# Allegro board DPU_PoE_A1_SizeReduce.brd (continued)
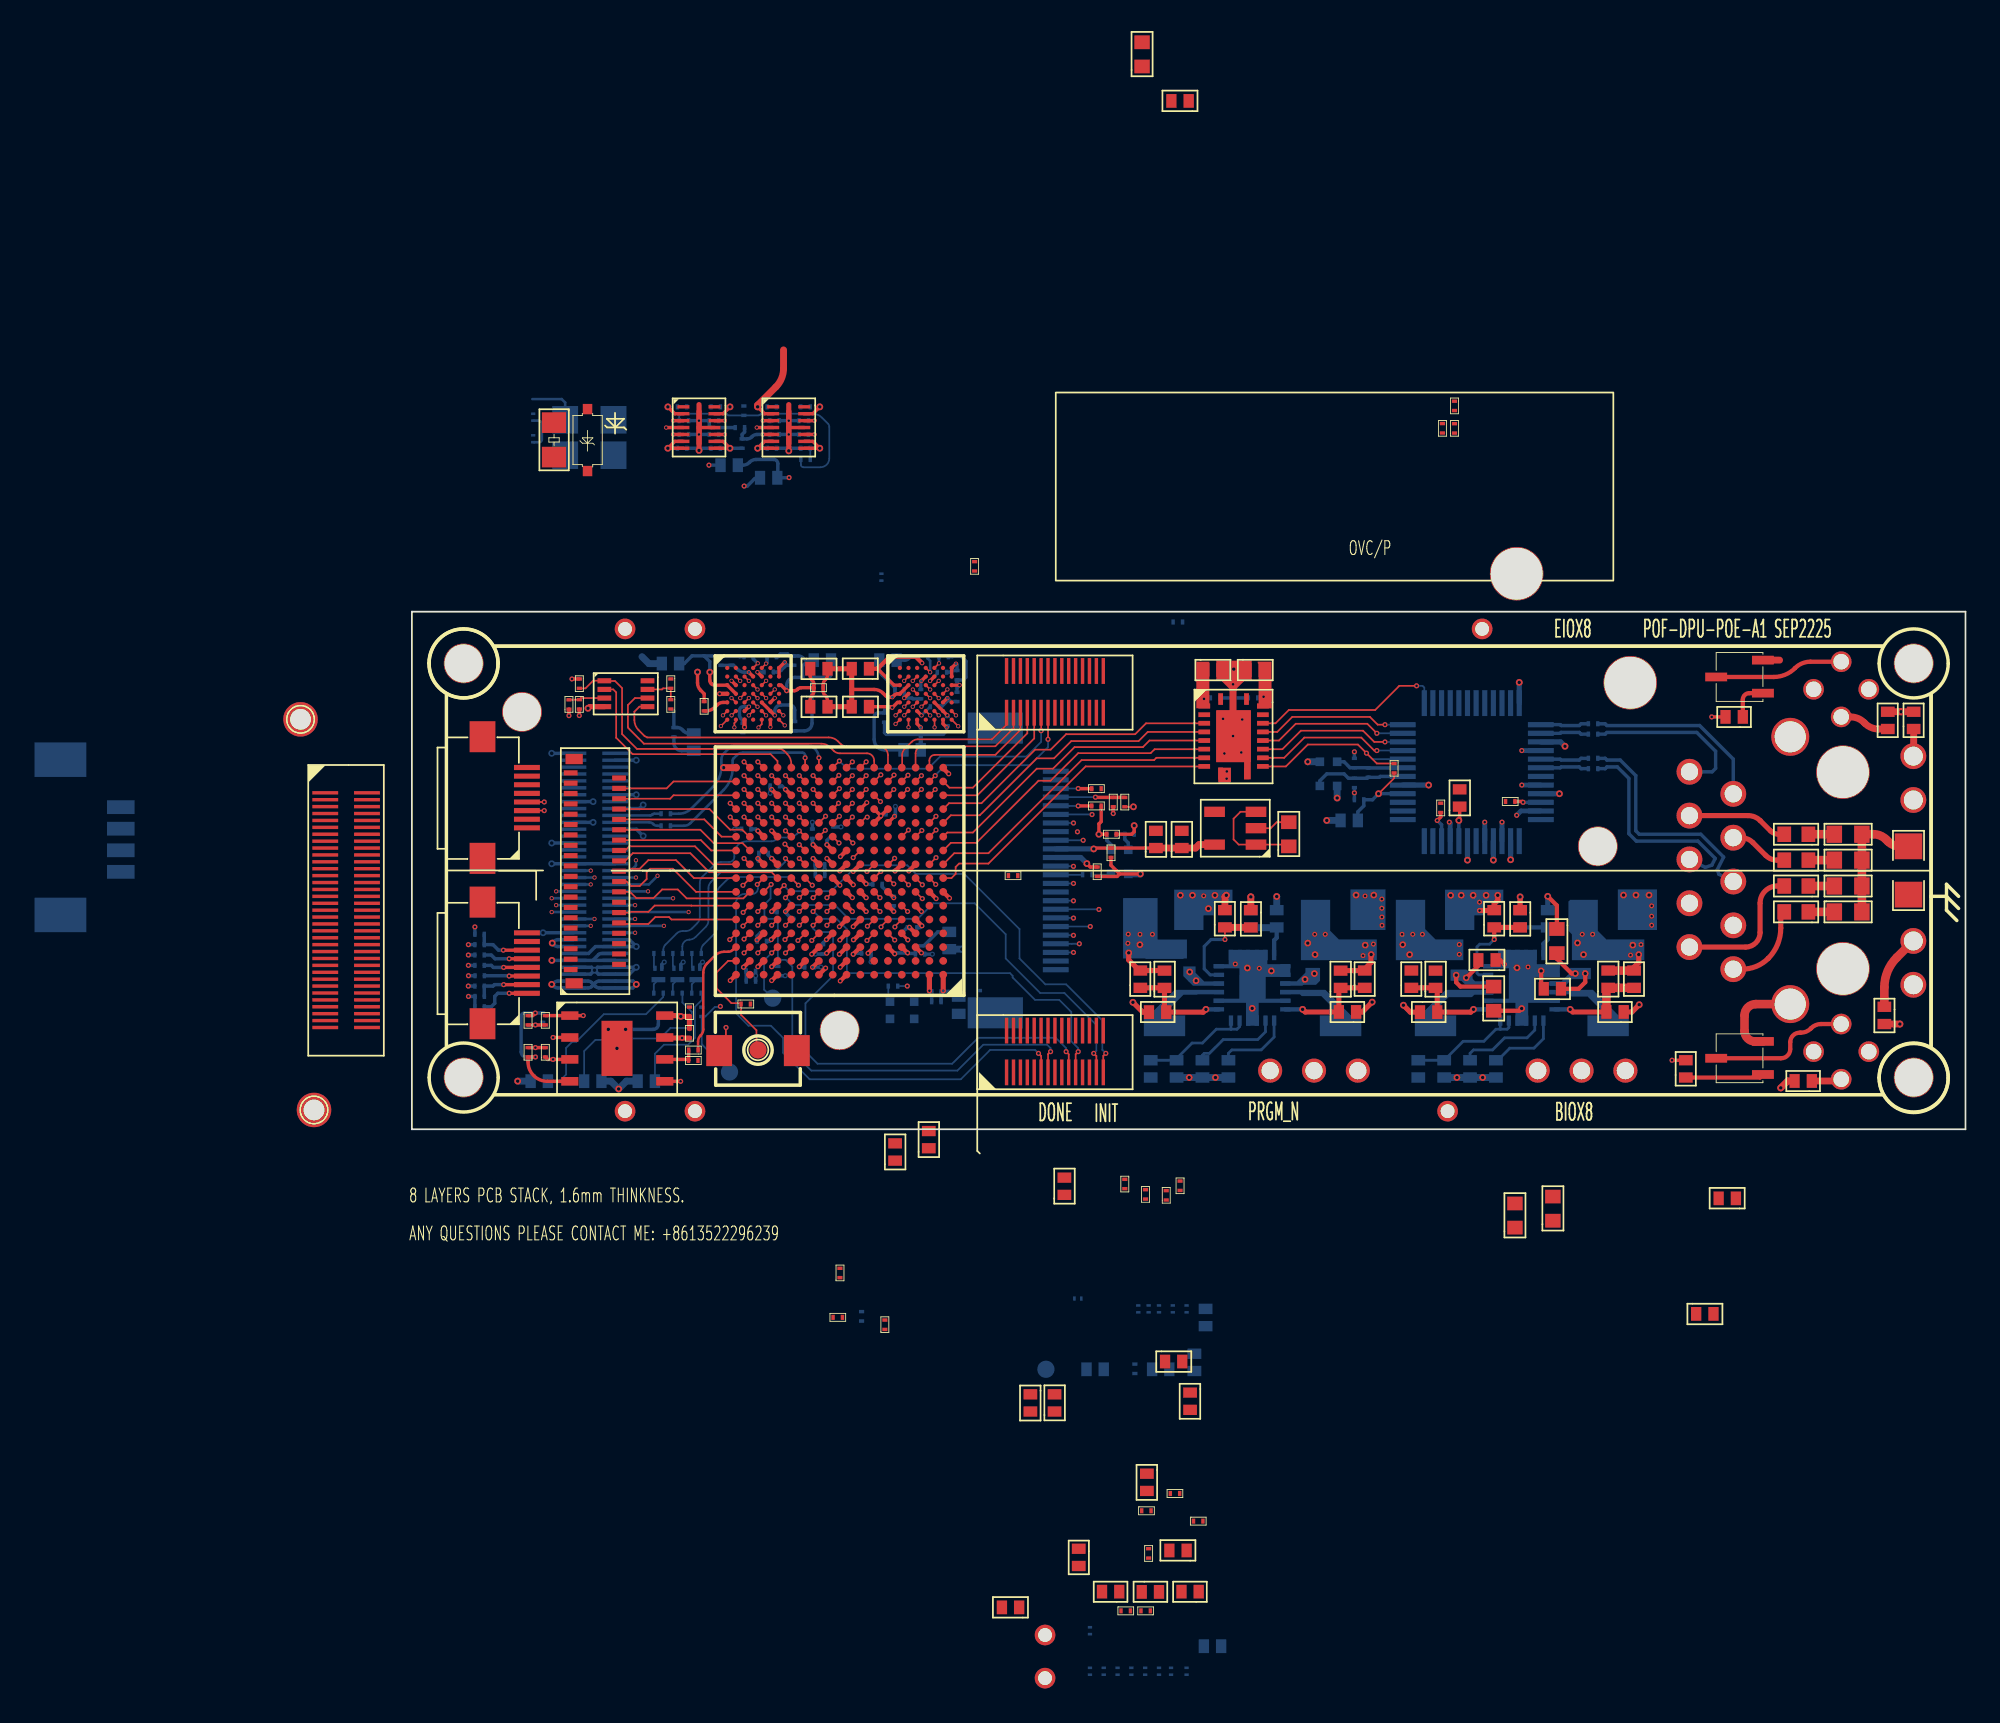
[diagram p0: board, top side]
## Nets (continued)
IO_T3: J2.3 U7.T3
IO_T4: J2.1 U7.T4
IO_T9: J2.11 U7.T9
IR_1V8: C103.2 J7.9 J7.10 J7.12 U5.13 U5.14
IR_1V8_EN: C108.2 R71.2 R74.2 U5.3
IR_3V3: C118.2 J7.13 J7.15 R74.1 U6.8 U6.9(VOUT2.)
IR_3V3_EN: C112.2 R72.2 R75.2 U6.5
IR_5V0: C120.2 J7.1 J7.2 J7.3 J7.4 R75.1 U5.8 U5.9(VOUT2.)
IR_D0: J7.18 U7.E15
IR_D1: J7.19 U7.E12
IR_D2: J7.20 U7.F9
IR_D3: J7.21 U7.E13
IR_D4: J7.22 U7.G10
IR_D5: J7.23 U7.F15
IR_D6: J7.24 U7.E9
IR_D7: J7.25 U7.H15
IR_D8: J7.26 U7.G9
IR_D9: J7.27 U7.J15
IR_D10: J7.28 U7.K7
IR_D11: J7.29 U7.K12
IR_D12: J7.30 U7.J11
IR_D13: J7.31 U7.L12
IR_D14: J7.32 U7.K11
IR_D15: J7.33 U7.M16
IR_HSYNC: J7.34 U7.M15
IR_PCLK: J7.36 U7.M14
IR_PWR_EN: R73.2 U5.5 U7.M4
IR_UART_RX: R69.1 U7.T11
IR_UART_TX: R68.1 U7.T10
IR_VSYNC: J7.35 U7.N16
JTAG_EN: J5.6 R89.2 R90.2 U7.D10
LD_3V3: C101.2 U6.13 U6.14
LD_3V3_EN: R70.2 U6.3
LINKLED: U12.25 U13.14
MCLK: R54.1 U7.C16
MCSN: R51.1 U7.C15 U9.1
MD0: U7.C14 U9.5
MD1: U7.D16 U9.2
MD2: R55.1 U7.D15 U9.3(W#/SIO2)
MD3: R52.1 U7.D12 U9.7
MIPI1_CLK+: U7.D1
MIPI1_CLK-: U7.D2
MIPI1_D0+: U7.E1
MIPI1_D0-: U7.E2
MIPI1_D1+: U7.C1
MIPI1_D1-: U7.C2
MIPI2_CLK+: U7.A5
MIPI2_CLK-: U7.B5
MIPI2_D0+: U7.A4
MIPI2_D0-: U7.B4
MIPI2_D1+: U7.A6
MIPI2_D1-: U7.B6
NC.12: U12.12
PROGRAM_N: C58.2 J5.2 R50.1 SW1.2 U7.C12
PWR_EN1: D22.2 J3.52 J8.2 R36.2 R92.1
PWR_EN2: D21.2 J3.2 J8.3 R2.2 R91.1
RN: R25.1 U13.6
RP: R27.1 U13.5
SPI_CS: R11.2 U4.1 U7.T12
SPI_SCK: U4.6 U7.T6
SPI_SI: U4.5 U7.T5
SPI_SO: U4.2 U7.T13
SYNC-1: R57.2 R58.1 U14.11(SYNC)
SYNC-2: R18.2 R19.1 U11.11(SYNC)
SYS_CLK: R38.2 U7.D4
TCK: J5.3 R86.1 U7.F14
TDI: J5.5 R88.2 U7.F11
TDO: J5.1 R85.2 U7.E14
TMS: J5.4 R87.2 U7.E11
TN: R20.1 U13.2
TP: R22.1 U13.1
TP_P2: U7.P2
UPLD_TXD1: R5.2
UPLD_TXD2: R59.2 U7.L4
N760129: C26.2 FB1.2 J6.4
N760503: C56.2 FB3.2 R43.1 R44.1
N762812: R28.1 R32.1 Y3.1
N763219: R30.1 Y3.3
N900708: R54.2 R56.1 U9.6
N990170: R37.1 R39.1 Y4.1
N990230: R38.1 Y4.3
N1026841: R12.2 R13.1 U4.3(W\P\)
N1026851: R14.2 R15.1 U4.7
N1593173: D18.1(CATHODE) R83.2
N1593177: D19.1(CATHODE) R82.2
N1593181: D17.1(CATHODE) R81.2
N1593233: Q5.3 R83.1
N1593237: Q4.3 R82.1
N1593241: Q3.3 R81.1
N1593321: Q5.1 R80.2
N1593325: Q4.1 R79.2
N1593329: Q3.1 R78.2
N1599549: L3.1 U14.9
N1609517: C143.2 R84.1 U14.18
N1613601: C53.1 R41.2 R47.1 U14.7
N1616720: L4.1 U14.22
N1616768: C52.1 R40.2 R46.1 U14.24
N1627713: R77.1 U14.2
N1630418: R76.1 U14.1
N2071731: L1.1 U11.9
N2071767: R66.1 U11.2
N2071821: C16.1 R4.2 R9.1 U11.7
N2072037: C95.2 R67.1 U11.18
N2072149: L2.1 U11.22
N2072181: R65.1 U11.1
N2072229: C15.1 R3.2 R8.1 U11.24
N2690332: J6.1 TP7.1(TP)
N2822398: J7.50 R69.2
N2822416: J7.52 R68.2
N2837557: C110.2 U5.12
N2837561: C115.2 U5.10
N2851475: C109.2 U6.12
N2851539: C114.2 U6.10
N2872165: J6.23 R44.2 R45.2
N2872169: J6.24 R42.2 R43.2
N2902183: R20.2 U12.1
N2902195: R22.2 U12.2
N2902207: R25.2 U12.5
N2902219: R27.2 U12.6
N2910858: R33.1 U12.10
N2920519: C44.1 U12.20
N2922742: C43.2 U12.22
N2933507: C32.2 R29.2 U12.31(XO) Y2.3
N2934366: C38.2 R29.1 U12.30 Y2.1
N2966266: R49.1 U13.13
N2966270: R7.1 U13.11
N2975066: C28.2 U13.3
N2979599: C33.2 U13.4
N2979611: C39.2 U13.9
N2981115: C42.2 U13.10
N2982594: C35.2 R23.2 R26.2 R31.2 R34.2
N3115032: Y1.5
N3115055: Y1.7
N3115078: Y1.9
N3115101: Y1.11
N3115124: Y1.13
N3115963: Y1.23
N3194519: LD1.2 Q1.3
N3194698: LD1.1 R6.1
N3194743: Q1.1 R5.1
N3194934: LD2.1 R60.1
N3195021: LD2.2 Q2.3
N3195213: Q2.1 R59.1
N3309472: Y1.14
N29811470: C28.1 R23.1
N29812170: C33.1 R26.1
N29812430: C39.1 R31.1
N29812690: C42.1 R34.1

Pads without a net: J2 6 8 14 15 16 17 19 21 22 24 30; J3 1 3 4 5 6 7 8 9 10 11 12 13 14 15 16 17 18 19 20 21 22 23 24 35 36 37 38 39 40 41 42 43 44 45 46 47 48 49 50 51 53 54 55 56 57 58 59 60; J4 4 5 7 9 14 15 17 23 25; J7 39 40 41 42 44 45 46 47 51 53 56 57 59 60 61 62 63 64 65 66 67 70; J10 2; J11 2; LD1 3 4; LD2 3 4; TP9 1; TP10 1; TP11 1; TP12 1; TP13 1; TP14 1; TP15 1; TP16 1; U1 A1 A2 A3 A6 B1 B6 C3 C6 D7 E7 G4; U2 A1 A2 A3 A6 B1 B6 C3 C6 D7 E7 G4; U3 1 3 18 20; U7 A3 A7 A9 A11 A12 A14 A15 B1 B2 B3 B7 B9 B12 C11 F1 F2 K2 K3 K4 K13 K14 L2 L5 L7 M3 N2 N3 N4; U8 4; U12 7 13 18 23 24 26 38 39 40 41 42 46 47; U13 7 8; Y1 2 6 8 15 17 19 21 25 27 29 31 33 35 37 38

## Via types
v1: diameter 0.3, hole 0.15, TOP to BOTTOM, 264 vias
v2: diameter 0.25, hole 0.15, TOP to BOTTOM, 87 vias
v3: diameter 0.4, hole 0.2, TOP to BOTTOM, 102 vias
v4: diameter 0.25, hole 0.15, TOP to GND-2, 11 vias
v5: diameter 0.3, hole 0.15, TOP to GND-2, 37 vias
v6: diameter 0.4, hole 0.2, TOP to GND-2, 1 via
v7: diameter 0.4, hole 0.2, GND-7 to BOTTOM, 14 vias
v8: diameter 0.3, hole 0.15, GND-7 to BOTTOM, 20 vias

## Routing (per net, layer and track width the routed paths; a pad name or vN(x,y) marks a point on that pad's centre or on a via; arc(x,y) is an arc through that point)
GND: length 180
  TOP w0.102: U8.2 49.75,17.45 50.1,17.8 C54.2 ; U7.T1 30.78,20.92
  TOP w0.2: U7.N7 v5(26.35,18.93) ; U6.11 21.84,40.67 U6.EP ; U5.11 16.64,40.67 U5.EP ; v4(21.6,27.07) U1.A7 U1.B7 ; C10.1 16.93,25.24 16.72,25.45 arc(16.59,25.64) 16.55,25.87 v3(16.55,26.5) ; U1.B4 v4(19.52,26.49) ; v4(18.52,25.99) 18.53,25.98 18.53,25.98 U1.C2 ; v4(31.52,26.99) U2.A7 U2.B7 ; 41,14.8 40.86,14.66 C31.2 ; 41,14.8 40.5,15.3 C29.2 ; 41,14.8 v3(42.2,14.8) ; v4(21.02,24.99) U1.E6 ; C3.2 24.08,26.35 arc(24.05,26.2) 23.97,26.08 23.94,26.05 arc(23.86,25.93) 23.83,25.79 C9.1 23.83,25.39 arc(23.86,25.25) 23.94,25.13 23.97,25.1 arc(24.05,24.98) 24.08,24.83 C11.2 ; v5(27.92,13.42) U7.G5 ; v3(41.84,17.6) 41.84,17.24 41.7,17.1 C117.1 ; v1(7.15,6.74) 7,6.59 C59.1 ; U9.4 7.85,2.78 arc(7.06,3.11) 6.73,3.9 C64.1 v1(7.16,4.19) ; v4(29.48,23.29) 29.27,23.5 U2.G3 ; v4(20.77,23.31) U1.G6 ; v1(40.63,18.3) C26.1 ; U2.G6 30.77,23.5 v4(30.98,23.29) ; U2.C2 U2.D1 28.13,25.24 arc(28.04,25.22) 27.96,25.17 v4(27.83,25.04) 27.66,25.04 arc(27.54,25.06) 27.44,25.13 27.29,25.28 arc(27.06,25.44) 26.78,25.49 25.48,25.49 ; U7.M5 v5(27.96,18.14) ; U2.E6 v4(31.02,24.99) ; U2.B4 v4(29.52,25.99) ; R13.2 v1(9.7,23.98)
  TOP w0.25: U7.C6 v5(26.43,10.2) ; v5(21.64,12.62) U7.F12 ; U7.P13 v5(20.84,19.7) ; 30.78,20.92 v5(31.1,20.6) ; v1(63.29,9.56) 63.04,9.81 C14.1 ; C20.1 66.33,12.97 v3(65.8,13.5) ; U7.E8 v5(24.77,11.74) ; U7.A13 v5(20.84,8.62) ; v5(24.8,14.14) U7.H9 ; U7.G2 v5(30.37,13.37) ; C21.1 64.16,6.87 v3(64.29,7) ; v5(23.16,10.14) U7.C10 ; v5(28.79,14.97) U7.J3 ; U7.C9 v5(24.02,10.2) ; U7.J9 v5(24.04,15.7) ; U7.D14 v5(19.99,10.97) ; U7.C3 v5(29.52,10.22) ; U7.H8 v5(25.57,14.17) ; U7.B8 v5(24.82,9.39) ; v5(20.04,15.7) U7.J14 ; v5(31.14,13.39) U7.G1 ; U7.E7 v5(25.57,11.74) ; U7.G8 v5(25.52,13.42) ; U7.A16 v5(18.44,8.62) ; v5(24.79,10.97) U7.D8 ; U1.D1 v5(17.83,25.24) ; U7.L13 v5(20.84,17.3) ; C50.1 65.42,8.29 v3(65.42,9.18) ; U7.B14 v5(20.04,9.42) ; v5(23.96,9.34) U7.A10 ; U7.J7 v5(25.57,14.94) ; U7.A8 v5(24.82,8.59) ; U7.B10 v5(23.21,9.39) ; v5(24.79,14.97) U7.J8 ; U7.D3 29.17,11.36 v5(28.82,11.71) ; U1.G3 v5(19.27,23.31) ; U7.F3 v5(29.52,12.62)
  TOP w0.3: v3(62.9,13.56) 62.91,13.56 62.91,13.27 62.7,13.06 R19.2 62.68,12.68 v1(61.85,12.68) ; v3(21.84,39.32) U6.EP 21.84,42 ; v3(71.1,7.22) 70.68,6.8 R3.1 ; C11.2 C12.1 C4.2 C3.2 ; v3(55.63,7.37) 55.06,6.8 R40.1 ; R41.1 42.34,6.79 v3(41.77,7.36) ; 16.64,42 U5.EP v3(16.64,39.35) ; v3(10.2,24.4) 10.29,24.49 U4.4 ; R4.1 57.84,6.79 v3(57.44,7.19) ; v5(30.78,8.03) U7.A1
  TOP w0.4: U7.T16 v6(18.05,20.96) ; v3(47.18,13.56) 47.1,13.48 R58.2 ; Q1.2 79.23,27.19
  TOP w0.5: Q2.2 77.81,5.09 arc(77.38,5.27) 77.2,5.7 77.2,6.6 arc(77.39,7.06) 77.86,7.25 U13.GND1
  BOTTOM w0.102: 19.91,8.91 v8(19.91,8.9)
  BOTTOM w0.15: D21.1 7.33,41.07 arc(7.47,41.01) 7.53,40.87 7.53,39.97 arc(7.49,39.86) 7.38,39.82 D22.1
  BOTTOM w0.2: C131.2 19.91,8.59 C134.1 ; 47.57,25 47.57,25 v1(47.57,25.79) ; 47.57,25 C74.1 ; 47.57,25 C2.2 ; J7.68 v7(13,21.39) ; R72.1 v2(21.83,40.27) C114.1 ; C111.2 v8(23.91,15.02) 23.91,14.99 23.92,14.98 C113.1 ; C80.1 29.48,25.95 v4(29.52,25.99) ; v8(28.38,11.38) 28.69,11.69 C125.1 ; 21.6,27.04 21.6,26.81 21.4,26.61 arc(21.28,26.53) 21.14,26.5 C75.1 ; 21.6,27.04 v4(21.6,27.07) ; 21.6,27.04 21.75,26.89 C70.1 ; C72.1 C71.1 18.64,26.89 18.89,26.64 arc(19.06,26.53) 19.26,26.49 v4(19.52,26.49) ; J7.58 v7(13,19.39) ; v8(15.72,9.69) 15.58,9.55 Q4.2 ; v7(13.4,18.8) 13.19,18.59 J7.54 ; C58.1 v1(3.27,8.3) ; C67.2 27.08,26.72 arc(27.12,26.51) 27.24,26.33 27.98,25.59 C79.1 27.98,25.19 v4(27.83,25.04) ; v7(8.1,15.39) J7.37 J7.38 ; J7.11 10.23,10.19 10.63,10.59 J7.14 v7(13,10.59) 12.6,10.99 J7.16 ; J7.7 10.41,9.39 v7(10.58,9.22) ; C120.1 16.76,39.47 v3(16.64,39.35) 16.51,39.47 C121.2 ; C84.1 27.38,22.99 27.48,22.89 30.78,22.89 30.98,23.09 v4(30.98,23.29) 31.02,23.33 C85.1 ; C99.1 v8(18.7,17.4) ; C109.1 v2(21.83,41.07) R70.1 ; C116.2 27.24,14.06 v8(27.5,13.8) 27.8,13.5 C123.1 ; C100.1 v8(23.2,17.8) ; C106.1 v8(20.1,15.57) ; J7.69 v7(8.1,21.79) ; R86.2 v1(3.28,8.9) ; C88.1 15.18,22.39 arc(15.31,22.07) 15.63,21.94 C69.2 ; v7(10.58,9.22) 10.81,8.99 J7.6 12.6,8.99 v7(13,9.39) J7.8 10.75,9.39 v7(10.58,9.22) ; v7(10.58,9.22) 10.35,8.99 J7.5 ; C96.1 v8(28.01,18.71) ; C83.1 30.68,24.49 31.02,24.83 v4(31.02,24.99) 31.23,24.79 C81.1 ; C138.2 31.58,7.69 31.42,7.85 arc(31.27,7.95) 31.09,7.99 30.78,7.99 30.77,7.98 ; C130.1 v8(26.6,9.7) ; C124.1 21.7,12.5 22,12.2 v8(22.1,12.2) ; R73.1 v2(16.63,40.27) C115.1 ; 30.77,7.98 30.66,7.86 C136.2 ; 30.77,7.98 C135.1 ; J7.17 v7(7.6,11.39) ; v7(13.4,17) 13.01,17.39 J7.48 ; C129.2 v8(30.15,10.15) ; C126.1 20,11.2 20.2,11.4 v8(20.4,11.4) ; Q5.2 14.48,9.55 14.62,9.69 v8(14.62,9.69) ; C27.1 v1(54.6,19.5) C38.1 ; v3(12.38,5.79) 13.98,5.79 arc(14.19,5.88) 14.28,6.09 C140.1 ; C105.2 v8(24.86,17.52) ; v7(10.5,18.99) J7.55 ; C32.1 v1(54.6,21.88) ; C133.1 v8(21.63,8.9) ; C119.2 21.68,39.47 v3(21.84,39.32) 21.98,39.47 C118.1 ; C94.2 v8(20.76,19.47) ; C132.1 v8(23.7,9.4) ; C76.1 31.18,26.49 31.28,26.59 C77.1 31.58,26.93 v4(31.52,26.99) ; C141.1 v1(7.15,6.74) 6.53,6.74 arc(6.39,6.68) 6.33,6.54 6.33,4.49 arc(6.42,4.28) 6.63,4.19 v1(7.16,4.19) ; C112.1 17.33,40.67 17.23,40.77 C110.1 v2(16.63,41.07) R71.1 ; J7.49 v7(10.5,17.79) ; R90.1 v1(3.65,11.73) ; C68.2 24.28,26.39 arc(24.22,26.25) 24.08,26.19 C78.1 23.18,23.54 arc(23.05,23.22) 22.73,23.09 C86.1 ; R32.2 v3(41.84,17.6) ; v8(16.84,9.69) 16.68,9.53 Q3.2 ; J7.43 v7(8.1,16.59) ; C128.2 v8(23.37,10.16)
  BOTTOM w0.25: v4(29.48,23.29) C90.2
  BOTTOM w0.3: U12.19 v3(61.15,15.6) ; U12.16 v3(62.65,15.6) ; U12.14 v3(63.65,15.62) ; U12.48 v3(64.15,25.9) ; U12.3 66.55,22.45 v3(66.8,22.2) ; C95.1 v3(65.8,13.5) ; U12.29 v3(58.9,19.95) ; U12.9 v3(66.48,19.45)
  BOTTOM w0.4: C143.1 v3(50.1,13.49) ; Y2.4 v3(53.6,19.2) ; C6.1 13.73,26.99 13.33,27.39 ; Y2.2 v3(51.9,21.3) ; C127.2 v7(31.86,10.44) ; C40.1 v3(53,17.9) ; Y3.2 v3(42.2,14.8)
  vias: v1(45.87,13.53) v1(46.99,23.79) v1(47.07,21.78) v1(47.57,22.79) v1(47.7,9.58) v1(48.05,21.84) v1(48.1,23.75) v1(49.09,9.33) v1(55.22,13.52) v1(56.19,13.34) v1(56.19,12.81) v1(56.19,12.3) v1(56.2,11.82) v1(61.85,13.16) v1(64.66,9.41) v1(71.82,12.95) v1(71.82,12.35) v1(71.82,11.83) v3(11.38,5.79) v3(11.88,4.69) v3(44.52,13.56) v3(45.22,13.56) v3(46.14,12.79) v3(46.52,13.56) v3(47.61,26.67) v3(48.4,9.35) v3(48.68,7.01) v3(49.79,9.18) v3(54.7,13.57) v3(55.72,13.57) v3(60.18,13.56) v3(60.79,13.56) v3(61.48,13.56) v3(62.23,13.56) v3(64.02,9.36) v3(70.19,13.57) v3(70.91,13.57) v3(71.67,13.57)
P1V0: length 16.9
  TOP w0.25: U7.C7 v1(25.57,10.14) ; v1(24.04,16.5) 24.38,16.16 ; U7.D9 v1(24.02,10.99) ; v1(25.58,10.98) 25.6,10.98 U7.D7 ; v1(23.24,15.7) U7.J10 ; U7.C5 v1(27.97,10.17) ; U7.H7 v1(26.32,14.22) ; U7.C4 v1(28.72,10.22) ; U7.B15 v1(19.21,9.39)
  TOP w0.3: v3(41.53,10.23) 41.53,9.81 42.14,9.2 R47.2 43.59,9.2 C53.2 ; U7.A2 v1(29.98,8.03)
  BOTTOM w0.2: C113.2 23.37,15.33 C111.1 23.37,15.53 23.24,15.66 ; C127.1 30.46,11.44 29.65,10.63 29.36,10.63 29.17,10.44 C129.1 29.13,10.19 28.75,10.19 v1(28.72,10.22) 28.02,10.22 v1(27.97,10.17) ; C136.1 30.11,7.86 29.99,7.98 ; C116.1 26.34,14.2 v1(26.32,14.22) ; C128.1 23.8,10.78 v1(24.02,10.99) ; C134.2 19.37,9.15 C131.1 19.36,9.25 v1(19.21,9.39) ; C105.1 24.28,16.98 24.04,16.74 v1(24.04,16.5) ; 29.99,7.98 C135.2 ; 29.99,7.98 29.98,7.99 ; C130.2 25.62,10.2 v1(25.57,10.14)
  vias: v1(41.5,11.31) v1(41.48,10.78) v1(42.18,11.3) v1(42.9,11.3) v3(42.17,10.7)
P1V5: length 9.3
  TOP w0.2: v3(39.5,16.25) 39.55,16.3 C29.1 C48.1
  TOP w0.4: U8.5 45.6,16.5 45.4,16.3 C34.1 C48.1
  BOTTOM w0.3: J6.10 v3(39.5,16.25)
P1V8: length 87.5
  TOP w0.102: U8.3 48,18.4 47.6,18 47.6,16.8 47.9,16.5 U8.1 50.7,16.5 C54.1
  TOP w0.2: v3(39.1,15.4) 39.3,15.2 C31.1 ; C64.2 v1(7.16,4.73) R55.2 ; U2.E5 U2.F6 v2(31.02,23.99) ; C12.2 27.78,24.49 v2(27.83,24.44) 28.13,24.74 U2.E1 ; U1.E5 U1.F6 v2(21.02,23.99) ; U2.F3 v2(29.52,23.99) ; R17.1 39.93,17.83 39.8,17.7 v3(39.8,17.1) C117.2 ; U5.2 15.23,41.47 v3(14.83,41.87) ; U2.C1 27.93,25.74 26.98,26.69 ; U2.D2 v2(28.52,24.99) ; U1.F3 v2(19.52,24.49) ; R51.2 v1(7.16,6.05) C59.2 ; U7.N5 27.56,18.56 v1(27.17,18.17) U7.N6 ; C9.2 23.28,25.6 23.28,25.82 arc(23.26,25.93) 23.19,26.03 23.17,26.05 arc(23.1,26.15) 23.08,26.26 C3.1 ; C9.2 23.28,25.58 23.28,25.36 arc(23.26,25.25) 23.19,25.15 23.17,25.13 arc(23.1,25.03) 23.08,24.92 C11.1 ; C9.2 22.53,25.59 arc(22.44,25.57) 22.36,25.52 22.33,25.49 arc(22.25,25.44) 22.16,25.42 v1(21.71,25.42) 21.39,25.74 U1.C7 ; U1.D2 U1.C1 17.54,25.74 arc(17.44,25.76) 17.36,25.81 17.33,25.84 arc(17.28,25.92) 17.26,26.02 v3(17.26,26.5) ; U1.B5 v2(20.02,26.49) ; C10.2 17.03,24.25 arc(17.31,24.3) 17.55,24.46 17.69,24.6 arc(17.85,24.7) 18.03,24.74 U1.E1 ; U2.B5 v2(30.02,25.99) ; R11.1 v1(9.27,26.1) ; R12.1 v1(9.1,23.97) ; U2.C7 v2(31.73,25.74)
  TOP w0.25: v1(27.17,18.17) 27.13,18.13 27.13,18.11 U7.M6 ; v1(24.82,15.8) 25.18,16.16 ; v1(20.84,15.7) U7.J13 ; C4.1 26.98,26.69 27.68,27.39 29.19,27.39 v2(29.56,27.02) ; U7.F7 v1(26.32,12.62) ; v1(26.32,13.42) U7.G7 ; v1(27.99,14.97) U7.J4 ; U7.B13 v1(20.84,9.42) ; U7.C8 v1(24.77,10.14) ; U7.F13 v1(20.84,12.62) ; v1(22.44,9.42) U7.B11 ; 23.58,16.16 v1(23.24,16.5) ; U7.E3 v1(29.55,11.79) ; v1(20.04,17.3) U7.L14 ; v1(27.92,12.62) U7.F5 ; v1(21.64,19.7) U7.P12 ; U7.F8 v1(25.52,12.62) ; v1(20.82,10.99) U7.D13
  TOP w0.3: v3(55.57,10.13) 55.56,10.12 55.56,9.66 55.2,9.3 R46.2 55.2,9.2 C52.2 ; U9.8 15.53,6.59 v3(15.58,6.54) C57.1 R52.2
  BOTTOM w0.15: v2(30.02,25.99) 30.44,26.41 C76.2 ; C83.2 30.02,24.49 v2(29.52,23.99)
  BOTTOM w0.2: C132.2 22.46,9.4 v1(22.44,9.42) ; v1(20.84,9.42) 20.86,9.44 C133.2 ; v1(7.16,6.05) 7.16,6.04 7.42,6.04 C141.2 ; C75.2 20.02,26.5 v2(20.02,26.49) ; C124.2 20.86,12.6 v1(20.84,12.62) ; C80.2 29.02,24.95 28.98,24.99 v2(28.52,24.99) 28.52,24.99 C79.2 ; C6.2 15.78,26.99 16.23,27.44 16.92,27.44 16.93,27.43 ; R85.1 3.65,7.69 R50.2 v1(3.28,7.7) ; R89.1 v1(3.27,10.7) ; R64.2 18.98,27.39 18.94,27.43 C71.2 C72.2 16.93,27.43 ; v1(27.92,12.62) 27.9,12.64 C123.2 ; v2(27.83,24.44) 27.58,24.44 arc(27.44,24.38) 27.38,24.24 C84.2 27.02,24.13 arc(26.85,24.06) 26.78,23.89 26.78,22.59 arc(26.96,22.17) 27.38,21.99 C90.1 ; C106.2 20.64,15.89 v1(20.84,15.7) ; C85.2 31.02,23.99 v2(31.02,23.99) ; v3(17.26,26.5) 17.26,27.11 16.93,27.43 ; v1(20.82,10.99) 20.72,10.9 C126.2 ; v1(23.24,16.5) 23.2,16.54 C100.2 ; v1(27.17,18.17) 27.27,18.27 C96.2 ; v2(21.02,23.99) 21.02,24.23 arc(21.13,24.49) 21.38,24.59 21.88,24.59 arc(22.09,24.5) 22.18,24.29 C86.2 ; C94.1 21.44,19.9 v1(21.64,19.7) ; v1(29.55,11.79) 29.44,11.69 C125.2 ; C68.1 23.27,27.18 22.95,27.18 ; v2(29.56,27.02) 29.34,27.24 R62.2 29,27.39 arc(28.89,27.37) 28.79,27.3 28.77,27.28 arc(28.67,27.21) 28.56,27.19 C67.1 ; R87.1 v1(3.27,9.5) ; C99.2 19.94,17.4 v1(20.04,17.3) ; v2(19.52,24.49) 19.52,24.49 19.18,24.49 arc(19.04,24.43) 18.98,24.29 18.98,24.01 arc(19,23.9) 19.07,23.8 19.18,23.69 C87.2 ; Y3.4 40.5,16.5 40.26,16.74 C117.2 v3(39.8,17.1) ; C81.2 31.58,25.59 v2(31.73,25.74) 31.58,25.89 C77.2 31.59,26.04 31.94,26.04 32.1,26.2 32.1,27.12 31.77,27.45 31.37,27.45 31.32,27.39 R61.1 ; C74.2 45.94,25 v1(45.89,24.95) ; v1(21.71,25.42) 21.71,25.72 arc(21.85,26.05) 22.18,26.19 C78.2 22.64,26.86 22.95,27.18 ; C69.1 16.09,22.94 arc(15.9,22.98) 15.73,23.09 15.65,23.17 arc(15.52,23.25) 15.38,23.28 C88.2 15.18,24.23 15.13,24.28 ; C140.2 v3(15.58,6.54) ; 22.95,27.18 arc(22.8,27.21) 22.67,27.3 22.64,27.33 arc(22.52,27.41) 22.38,27.43 C70.2 21.88,27.43 21.76,27.55 21.35,27.55 21.19,27.39 R63.1 ; R88.1 v1(3.27,10.1)
  BOTTOM w0.3: J6.11 38.75,15.75 v3(39.1,15.4)
  vias: v1(47.21,20.74) v1(47.2,20.32) v1(52.3,11.3) v1(52.91,11.3) v1(55.1,10.07) v1(55.7,10.73) v3(51.9,10.79) v3(52.32,10.13) v3(55.23,10.67)
